# KiCad board panel.kicad_pcb (continued)
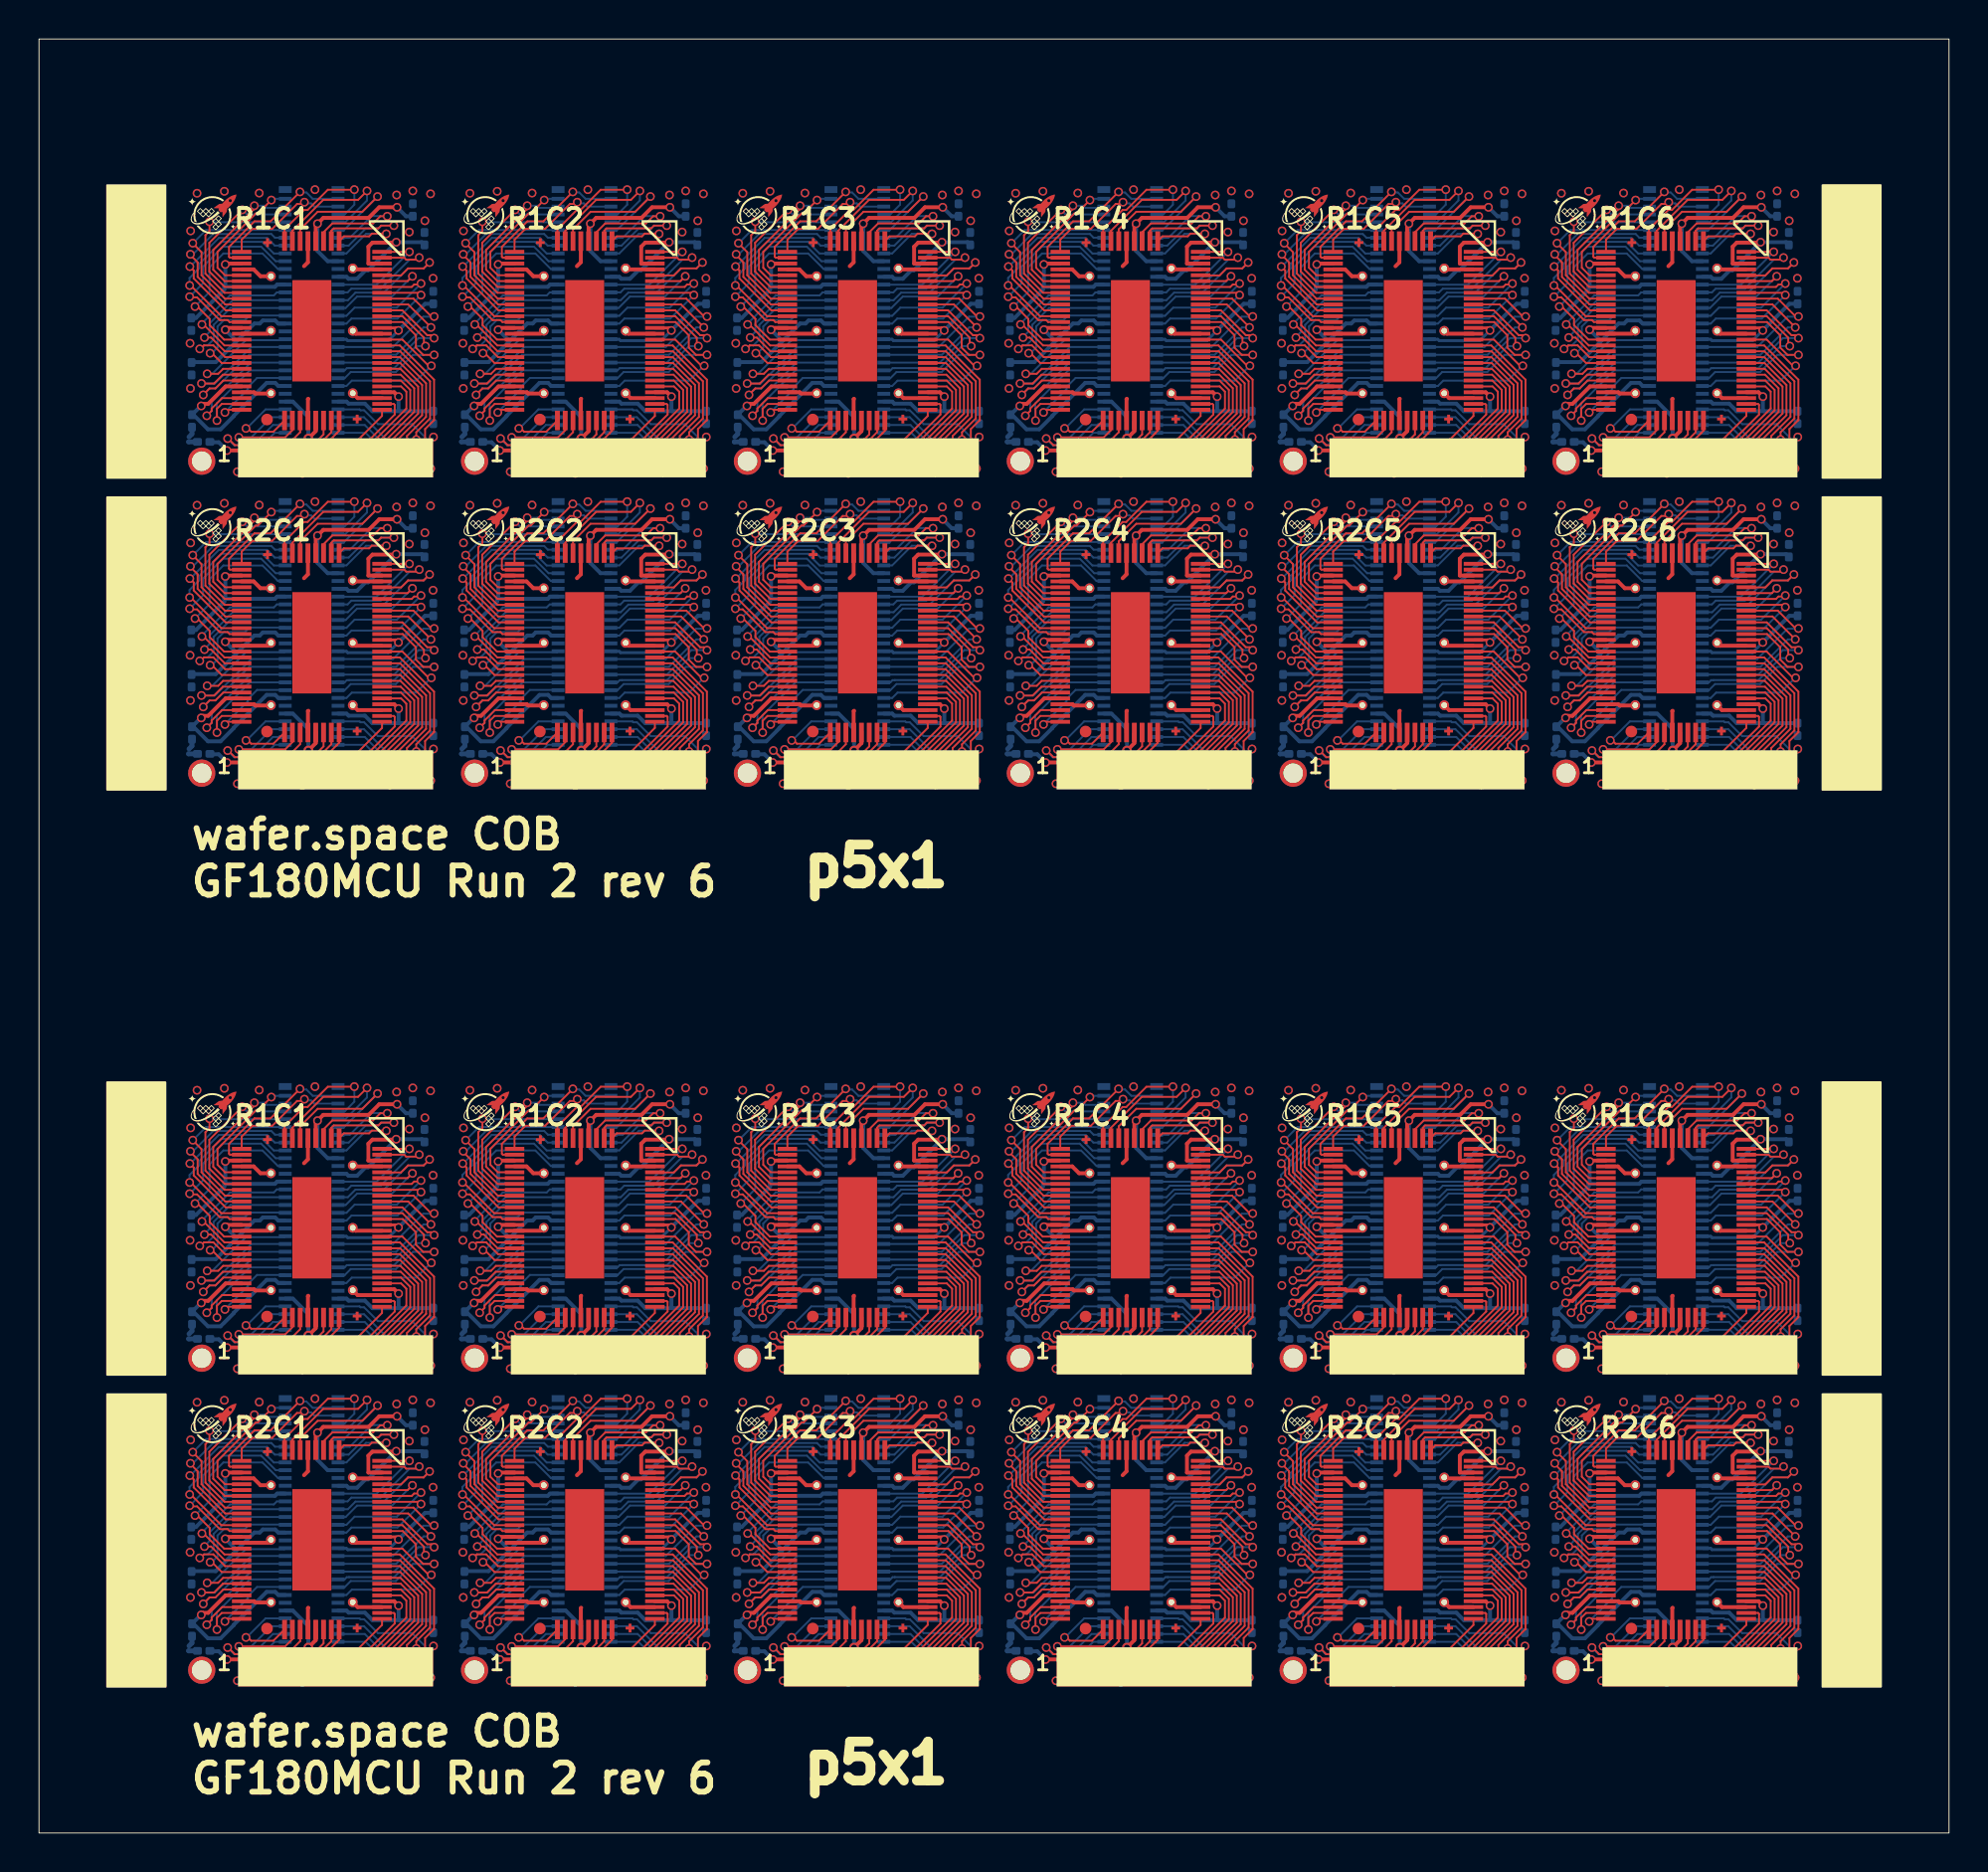
[diagram p0: board, top side]
## Placement (name value [footprint] x y rotation side) (continued)
U115#2  ~  [CONN-SMD_70P-P0.40_HCTL_HC-PBB40C-70DP-0.4V-02]  27.99 61.01 90 bottom
U116  ~  [waferspace_p5x1_padring_v0.2]  28 61.04 180 top
U116#2  ~  [waferspace_p5x1_padring_v0.2]  28 15.04 180 top
U117  ~  [CONN-SMD_70P-P0.40_HCTL_HC-PBB40C-70DP-0.4V-02]  41.99 15.01 90 bottom
U117#2  ~  [CONN-SMD_70P-P0.40_HCTL_HC-PBB40C-70DP-0.4V-02]  41.99 61.01 90 bottom
U118  ~  [waferspace_p5x1_padring_v0.2]  42 15.04 180 top
U118#2  ~  [waferspace_p5x1_padring_v0.2]  42 61.04 180 top
U119  ~  [CONN-SMD_70P-P0.40_HCTL_HC-PBB40C-70DP-0.4V-02]  55.99 61.01 90 bottom
U119#2  ~  [CONN-SMD_70P-P0.40_HCTL_HC-PBB40C-70DP-0.4V-02]  55.99 15.01 90 bottom
U120  ~  [waferspace_p5x1_padring_v0.2]  56 15.04 180 top
U120#2  ~  [waferspace_p5x1_padring_v0.2]  56 61.04 180 top
U121  ~  [CONN-SMD_70P-P0.40_HCTL_HC-PBB40C-70DP-0.4V-02]  69.99 61.01 90 bottom
U121#2  ~  [CONN-SMD_70P-P0.40_HCTL_HC-PBB40C-70DP-0.4V-02]  69.99 15.01 90 bottom
U122  ~  [waferspace_p5x1_padring_v0.2]  70 61.04 180 top
U122#2  ~  [waferspace_p5x1_padring_v0.2]  70 15.04 180 top
U123  ~  [CONN-SMD_70P-P0.40_HCTL_HC-PBB40C-70DP-0.4V-02]  83.99 15.01 90 bottom
U123#2  ~  [CONN-SMD_70P-P0.40_HCTL_HC-PBB40C-70DP-0.4V-02]  83.99 61.01 90 bottom
U124  ~  [waferspace_p5x1_padring_v0.2]  84 15.04 180 top
U124#2  ~  [waferspace_p5x1_padring_v0.2]  84 61.04 180 top

## Library data of the parts
C101 C101#2 C102 C102#2 C103 C103#2 C104 C104#2 C105 C105#2 C106 C106#2 C107 C107#2 C108 C108#2 C109 C109#2 C110 C110#2 C111 C111#2 C112 C112#2 C113 C113#2 C114 C114#2 C115 C115#2 C116 C116#2 C117 C117#2 C118 C118#2 C119 C119#2 C120 C120#2 C121 C121#2 C122 C122#2 C123 C123#2 C124 C124#2 C125 C125#2 C126 C126#2 C127 C127#2 C128 C128#2 C129 C129#2 C130 C130#2 C131 C131#2 C132 C132#2 C133 C133#2 C134 C134#2 C135 C135#2 C136 C136#2 C137 C137#2 C138 C138#2 C139 C139#2 C140 C140#2 C141 C141#2 C142 C142#2 C143 C143#2 C144 C144#2 C145 C145#2 C146 C146#2 C147 C147#2 C148 C148#2 C149 C149#2 C150 C150#2 C151 C151#2 C152 C152#2 C153 C153#2 C154 C154#2 C155 C155#2 C156 C156#2 C157 C157#2 C158 C158#2 C159 C159#2 C160 C160#2 C161 C161#2 C162 C162#2 C163 C163#2 C164 C164#2 C165 C165#2 C166 C166#2 C167 C167#2 C168 C168#2 C169 C169#2 C170 C170#2 C171 C171#2 C172 C172#2 C173 C173#2 C174 C174#2 C175 C175#2 C176 C176#2 C177 C177#2 C178 C178#2 C179 C179#2 C180 C180#2 C181 C181#2 C182 C182#2 C183 C183#2 C184 C184#2 C185 C185#2 C186 C186#2 C187 C187#2 C188 C188#2 C189 C189#2 C190 C190#2 C191 C191#2 C192 C192#2 C193 C193#2 C194 C194#2 C195 C195#2 C196 C196#2 = -: Description: Unpolarized capacitor, small symbol; ki_fp_filters: C_*
J1 J1#2 J2 J2#2 J3 J3#2 J4 J4#2 J5 J5#2 J6 J6#2 J7 J7#2 J8 J8#2 J9 J9#2 J10 J10#2 J11 J11#2 J12 J12#2 = -: Description: Generic connector, single row, 01x01, script generated (kicad-library-utils/schlib/autogen/connector/); ki_fp_filters: Connector*:*_1x??_*

## Footprints (pads in the part's own frame, mm; a bottom-side part is the same pattern mirrored in y, then rotated)
C_0201_0603Metric
  rrect 0.318x0.36 smd: (-0.345,0) (0.345,0)
  rrect 0.46x0.4 smd: 1(-0.32,0) 2(0.32,0)
CONN-SMD_70P-P0.40_HCTL_HC-PBB40C-70DP-0.4V-02
  rect 0.2x0.66 smd: 1(-6.8,-1.355) 2(-6.4,-1.355) 3(-6,-1.355) 4(-5.6,-1.355) 5(-5.2,-1.355) 6(-4.8,-1.355) 7(-4.4,-1.355) 8(-4,-1.355) 9(-3.6,-1.355) 10(-3.2,-1.355) 11(-2.8,-1.355) 12(-2.4,-1.355) 13(-2,-1.355) 14(-1.6,-1.355) 15(-1.2,-1.355) 16(-0.8,-1.355) 17(-0.4,-1.355) 18(0,-1.355) 19(0.4,-1.355) 20(0.8,-1.355) 21(1.2,-1.355) 22(1.6,-1.355) 23(2,-1.355) 24(2.4,-1.355) 25(2.8,-1.355) 26(3.2,-1.355) 27(3.6,-1.355) 28(4,-1.355) 29(4.4,-1.355) 30(4.8,-1.355) 31(5.2,-1.355) 32(5.6,-1.355) 33(6,-1.355) 34(6.4,-1.355) 35(6.8,-1.355) 36(6.8,1.355) 37(6.4,1.355) 38(6,1.355) 39(5.6,1.355) 40(5.2,1.355) 41(4.8,1.355) 42(4.4,1.355) 43(4,1.355) 44(3.6,1.355) 45(3.2,1.355) 46(2.8,1.355) 47(2.4,1.355) 48(2,1.355) 49(1.6,1.355) 50(1.2,1.355) 51(0.8,1.355) 52(0.4,1.355) 53(0,1.355) 54(-0.4,1.355) 55(-0.8,1.355) 56(-1.2,1.355) 57(-1.6,1.355) 58(-2,1.355) 59(-2.4,1.355) 60(-2.8,1.355) 61(-3.2,1.355) 62(-3.6,1.355) 63(-4,1.355) 64(-4.4,1.355) 65(-4.8,1.355) 66(-5.2,1.355) 67(-5.6,1.355) 68(-6,1.355) 69(-6.4,1.355) 70(-6.8,1.355)
  rect 0.35x0.66 smd: MP(-7.275,-1.355) MP(-7.275,1.355) MP(7.275,-1.355) MP(7.275,1.355)
pin1_fiducial
  round 1.4 hole 1: 1(0,0)
waferspace_p5x1_padring_v0.2
  rect 0.25x1 smd: 1(1.4,4.6) 2(1,4.6) 3(0.6,4.6) 4(0.2,4.6) 5(-0.2,4.6) 6(-0.6,4.6) 7(-1,4.6) 8(-1.4,4.6) 37(-1.4,-4.6) 38(-1,-4.6) 39(-0.6,-4.6) 40(-0.2,-4.6) 41(0.2,-4.6) 42(0.6,-4.6) 43(1,-4.6) 44(1.4,-4.6)
  rect 1x0.2 smd: 9(-3.6,4.05) 10(-3.6,3.75) 11(-3.6,3.45) 12(-3.6,3.15) 13(-3.6,2.85) 14(-3.6,2.55) 15(-3.6,2.25) 16(-3.6,1.95) 17(-3.6,1.65) 18(-3.6,1.35) 19(-3.6,1.05) 20(-3.6,0.75) 21(-3.6,0.45) 22(-3.6,0.15) 23(-3.6,-0.15) 24(-3.6,-0.45) 25(-3.6,-0.75) 26(-3.6,-1.05) 27(-3.6,-1.35) 28(-3.6,-1.65) 29(-3.6,-1.95) 30(-3.6,-2.25) 31(-3.6,-2.55) 32(-3.6,-2.85) 33(-3.6,-3.15) 34(-3.6,-3.45) 35(-3.6,-3.75) 36(-3.6,-4.05) 45(3.6,-4.05) 46(3.6,-3.75) 47(3.6,-3.45) 48(3.6,-3.15) 49(3.6,-2.85) 50(3.6,-2.55) 51(3.6,-2.25) 52(3.6,-1.95) 53(3.6,-1.65) 54(3.6,-1.35) 55(3.6,-1.05) 56(3.6,-0.75) 57(3.6,-0.45) 58(3.6,-0.15) 59(3.6,0.15) 60(3.6,0.45) 61(3.6,0.75) 62(3.6,1.05) 63(3.6,1.35) 64(3.6,1.65) 65(3.6,1.95) 66(3.6,2.25) 67(3.6,2.55) 68(3.6,2.85) 69(3.6,3.15) 70(3.6,3.45) 71(3.6,3.75) 72(3.6,4.05)
  rrect 2x5.2 smd: 75(0,0)
  round 0.5 hole 0.3: 76(2.1,-2.8) 77(2.1,0) 78(2.1,3.2) 79(-2.1,3.2) 80(-2.1,0) 81(-2.1,-3.2)

## Nets
GND: C101.2 C101#2.2 C102.2 C102#2.2 C103.2 C103#2.2 C104.2 C104#2.2 C105.2 C105#2.2 C106.2 C106#2.2 C107.2 C107#2.2 C108.2 C108#2.2 C109.2 C109#2.2 C110.2 C110#2.2 C111.2 C111#2.2 C112.2 C112#2.2 C113.2 C113#2.2 C114.2 C114#2.2 C115.2 C115#2.2 C116.2 C116#2.2 C117.2 C117#2.2 C118.2 C118#2.2 C119.2 C119#2.2 C120.2 C120#2.2 C121.2 C121#2.2 C122.2 C122#2.2 C123.2 C123#2.2 C124.2 C124#2.2 C125.2 C125#2.2 C126.2 C126#2.2 C127.2 C127#2.2 C128.2 C128#2.2 C129.2 C129#2.2 C130.2 C130#2.2 C131.2 C131#2.2 C132.2 C132#2.2 C133.2 C133#2.2 C134.2 C134#2.2 C135.2 C135#2.2 C136.2 C136#2.2 C137.2 C137#2.2 C138.2 C138#2.2 C139.2 C139#2.2 C140.2 C140#2.2 C141.2 C141#2.2 C142.2 C142#2.2 C143.2 C143#2.2 C144.2 C144#2.2 C145.2 C145#2.2 C146.2 C146#2.2 C147.2 C147#2.2 C148.2 C148#2.2 C149.2 C149#2.2 C150.2 C150#2.2 C151.2 C151#2.2 C152.2 C152#2.2 C153.2 C153#2.2 C154.2 C154#2.2 C155.2 C155#2.2 C156.2 C156#2.2 C157.2 C157#2.2 C158.2 C158#2.2 C159.2 C159#2.2 C160.2 C160#2.2 C161.2 C161#2.2 C162.2 C162#2.2 C163.2 C163#2.2 C164.2 C164#2.2 C165.2 C165#2.2 C166.2 C166#2.2 C167.2 C167#2.2 C168.2 C168#2.2 C169.2 C169#2.2 C170.2 C170#2.2 C171.2 C171#2.2 C172.2 C172#2.2 C173.2 C173#2.2 C174.2 C174#2.2 C175.2 C175#2.2 C176.2 C176#2.2 C177.2 C177#2.2 C178.2 C178#2.2 C179.2 C179#2.2 C180.2 C180#2.2 C181.2 C181#2.2 C182.2 C182#2.2 C183.2 C183#2.2 C184.2 C184#2.2 C185.2 C185#2.2 C186.2 C186#2.2 C187.2 C187#2.2 C188.2 C188#2.2 C189.2 C189#2.2 C190.2 C190#2.2 C191.2 C191#2.2 C192.2 C192#2.2 C193.2 C193#2.2 C194.2 C194#2.2 C195.2 C195#2.2 C196.2 C196#2.2 J1.1 J1#2.1 J2.1 J2#2.1 J3.1 J3#2.1 J4.1 J4#2.1 J5.1 J5#2.1 J6.1 J6#2.1 J7.1 J7#2.1 J8.1 J8#2.1 J9.1 J9#2.1 J10.1 J10#2.1 J11.1 J11#2.1 J12.1 J12#2.1 U101.10 U101.18 U101.25 U101.45 U101.53 U101.61 U101.MP U101#2.10 U101#2.18 U101#2.25 U101#2.45 U101#2.53 U101#2.61 U101#2.MP U102.4 U102.11 U102.22 U102.33 U102.41 U102.48 U102.59 U102.69 U102.75 U102.76 U102.77 U102.78 U102.79 U102.80 U102.81 U102#2.4 U102#2.11 U102#2.22 U102#2.33 U102#2.41 U102#2.48 U102#2.59 U102#2.69 U102#2.75 U102#2.76 U102#2.77 U102#2.78 U102#2.79 U102#2.80 U102#2.81 U103.10 U103.18 U103.25 U103.45 U103.53 U103.61 U103.MP U103#2.10 U103#2.18 U103#2.25 U103#2.45 U103#2.53 U103#2.61 U103#2.MP U104.4 U104.11 U104.22 U104.33 U104.41 U104.48 U104.59 U104.69 U104.75 U104.76 U104.77 U104.78 U104.79 U104.80 U104.81 U104#2.4 U104#2.11 U104#2.22 U104#2.33 U104#2.41 U104#2.48 U104#2.59 U104#2.69 U104#2.75 U104#2.76 U104#2.77 U104#2.78 U104#2.79 U104#2.80 U104#2.81 U105.10 U105.18 U105.25 U105.45 U105.53 U105.61 U105.MP U105#2.10 U105#2.18 U105#2.25 U105#2.45 U105#2.53 U105#2.61 U105#2.MP U106.4 U106.11 U106.22 U106.33 U106.41 U106.48 U106.59 U106.69 U106.75 U106.76 U106.77 U106.78 U106.79 U106.80 U106.81 U106#2.4 U106#2.11 U106#2.22 U106#2.33 U106#2.41 U106#2.48 U106#2.59 U106#2.69 U106#2.75 U106#2.76 U106#2.77 U106#2.78 U106#2.79 U106#2.80 U106#2.81 U107.10 U107.18 U107.25 U107.45 U107.53 U107.61 U107.MP U107#2.10 U107#2.18 U107#2.25 U107#2.45 U107#2.53 U107#2.61 U107#2.MP U108.4 U108.11 U108.22 U108.33 U108.41 U108.48 U108.59 U108.69 U108.75 U108.76 U108.77 U108.78 U108.79 U108.80 U108.81 U108#2.4 U108#2.11 U108#2.22 U108#2.33 U108#2.41 U108#2.48 U108#2.59 U108#2.69 U108#2.75 U108#2.76 U108#2.77 U108#2.78 U108#2.79 U108#2.80 U108#2.81 U109.10 U109.18 U109.25 U109.45 U109.53 U109.61 U109.MP U109#2.10 U109#2.18 U109#2.25 U109#2.45 U109#2.53 U109#2.61 U109#2.MP U110.4 U110.11 U110.22 U110.33 U110.41 U110.48 U110.59 U110.69 U110.75 U110.76 U110.77 U110.78 U110.79 U110.80 U110.81 U110#2.4 U110#2.11 U110#2.22 U110#2.33 U110#2.41 U110#2.48 U110#2.59 U110#2.69 U110#2.75 U110#2.76 U110#2.77 U110#2.78 U110#2.79 U110#2.80 U110#2.81 U111.10 U111.18 U111.25 U111.45 U111.53 U111.61 U111.MP U111#2.10 U111#2.18 U111#2.25 U111#2.45 U111#2.53 U111#2.61 U111#2.MP U112.4 U112.11 U112.22 U112.33 U112.41 U112.48 U112.59 U112.69 U112.75 U112.76 U112.77 U112.78 U112.79 U112.80 U112.81 U112#2.4 U112#2.11 U112#2.22 U112#2.33 U112#2.41 U112#2.48 U112#2.59 U112#2.69 U112#2.75 U112#2.76 U112#2.77 U112#2.78 U112#2.79 U112#2.80 U112#2.81 U113.10 U113.18 U113.25 U113.45 U113.53 U113.61 U113.MP U113#2.10 U113#2.18 U113#2.25 U113#2.45 U113#2.53 U113#2.61 U113#2.MP U114.4 U114.11 U114.22 U114.33 U114.41 U114.48 U114.59 U114.69 U114.75 U114.76 U114.77 U114.78 U114.79 U114.80 U114.81 U114#2.4 U114#2.11 U114#2.22 U114#2.33 U114#2.41 U114#2.48 U114#2.59 U114#2.69 U114#2.75 U114#2.76 U114#2.77 U114#2.78 U114#2.79 U114#2.80 U114#2.81 U115.10 U115.18 U115.25 U115.45 U115.53 U115.61 U115.MP U115#2.10 U115#2.18 U115#2.25 U115#2.45 U115#2.53 U115#2.61 U115#2.MP U116.4 U116.11 U116.22 U116.33 U116.41 U116.48 U116.59 U116.69 U116.75 U116.76 U116.77 U116.78 U116.79 U116.80 U116.81 U116#2.4 U116#2.11 U116#2.22 U116#2.33 U116#2.41 U116#2.48 U116#2.59 U116#2.69 U116#2.75 U116#2.76 U116#2.77 U116#2.78 U116#2.79 U116#2.80 U116#2.81 U117.10 U117.18 U117.25 U117.45 U117.53 U117.61 U117.MP U117#2.10 U117#2.18 U117#2.25 U117#2.45 U117#2.53 U117#2.61 U117#2.MP U118.4 U118.11 U118.22 U118.33 U118.41 U118.48 U118.59 U118.69 U118.75 U118.76 U118.77 U118.78 U118.79 U118.80 U118.81 U118#2.4 U118#2.11 U118#2.22 U118#2.33 U118#2.41 U118#2.48 U118#2.59 U118#2.69 U118#2.75 U118#2.76 U118#2.77 U118#2.78 U118#2.79 U118#2.80 U118#2.81 U119.10 U119.18 U119.25 U119.45 U119.53 U119.61 U119.MP U119#2.10 U119#2.18 U119#2.25 U119#2.45 U119#2.53 U119#2.61 U119#2.MP U120.4 U120.11 U120.22 U120.33 U120.41 U120.48 U120.59 U120.69 U120.75 U120.76 U120.77 U120.78 U120.79 U120.80 U120.81 U120#2.4 U120#2.11 U120#2.22 U120#2.33 U120#2.41 U120#2.48 U120#2.59 U120#2.69 U120#2.75 U120#2.76 U120#2.77 U120#2.78 U120#2.79 U120#2.80 U120#2.81 U121.10 U121.18 U121.25 U121.45 U121.53 U121.61 U121.MP U121#2.10 U121#2.18 U121#2.25 U121#2.45 U121#2.53 U121#2.61 U121#2.MP U122.4 U122.11 U122.22 U122.33 U122.41 U122.48 U122.59 U122.69 U122.75 U122.76 U122.77 U122.78 U122.79 U122.80 U122.81 U122#2.4 U122#2.11 U122#2.22 U122#2.33 U122#2.41 U122#2.48 U122#2.59 U122#2.69 U122#2.75 U122#2.76 U122#2.77 U122#2.78 U122#2.79 U122#2.80 U122#2.81 U123.10 U123.18 U123.25 U123.45 U123.53 U123.61 U123.MP U123#2.10 U123#2.18 U123#2.25 U123#2.45 U123#2.53 U123#2.61 U123#2.MP U124.4 U124.11 U124.22 U124.33 U124.41 U124.48 U124.59 U124.69 U124.75 U124.76 U124.77 U124.78 U124.79 U124.80 U124.81 U124#2.4 U124#2.11 U124#2.22 U124#2.33 U124#2.41 U124#2.48 U124#2.59 U124#2.69 U124#2.75 U124#2.76 U124#2.77 U124#2.78 U124#2.79 U124#2.80 U124#2.81
VDD_CORE_0: C103.1 C103#2.1 C111.1 C111#2.1 C119.1 C119#2.1 C127.1 C127#2.1 C135.1 C135#2.1 C143.1 C143#2.1 C151.1 C151#2.1 C159.1 C159#2.1 C167.1 C167#2.1 C175.1 C175#2.1 C183.1 C183#2.1 C191.1 C191#2.1 U101.46 U101#2.46 U102.34 U102#2.34 U103.46 U103#2.46 U104.34 U104#2.34 U105.46 U105#2.46 U106.34 U106#2.34 U107.46 U107#2.46 U108.34 U108#2.34 U109.46 U109#2.46 U110.34 U110#2.34 U111.46 U111#2.46 U112.34 U112#2.34 U113.46 U113#2.46 U114.34 U114#2.34 U115.46 U115#2.46 U116.34 U116#2.34 U117.46 U117#2.46 U118.34 U118#2.34 U119.46 U119#2.46 U120.34 U120#2.34 U121.46 U121#2.46 U122.34 U122#2.34 U123.46 U123#2.46 U124.34 U124#2.34
VDD_CORE_1: C104.1 C104#2.1 C112.1 C112#2.1 C120.1 C120#2.1 C128.1 C128#2.1 C136.1 C136#2.1 C144.1 C144#2.1 C152.1 C152#2.1 C160.1 C160#2.1 C168.1 C168#2.1 C176.1 C176#2.1 C184.1 C184#2.1 C192.1 C192#2.1 U101.11 U101#2.11 U102.68 U102#2.68 U103.11 U103#2.11 U104.68 U104#2.68 U105.11 U105#2.11 U106.68 U106#2.68 U107.11 U107#2.11 U108.68 U108#2.68 U109.11 U109#2.11 U110.68 U110#2.68 U111.11 U111#2.11 U112.68 U112#2.68 U113.11 U113#2.11 U114.68 U114#2.68 U115.11 U115#2.11 U116.68 U116#2.68 U117.11 U117#2.11 U118.68 U118#2.68 U119.11 U119#2.11 U120.68 U120#2.68 U121.11 U121#2.11 U122.68 U122#2.68 U123.11 U123#2.11 U124.68 U124#2.68
VDD_IO_0: C107.1 C107#2.1 C115.1 C115#2.1 C123.1 C123#2.1 C131.1 C131#2.1 C139.1 C139#2.1 C147.1 C147#2.1 C155.1 C155#2.1 C163.1 C163#2.1 C171.1 C171#2.1 C179.1 C179#2.1 C187.1 C187#2.1 C195.1 C195#2.1 U101.62 U101#2.62 U102.12 U102#2.12 U103.62 U103#2.62 U104.12 U104#2.12 U105.62 U105#2.62 U106.12 U106#2.12 U107.62 U107#2.62 U108.12 U108#2.12 U109.62 U109#2.62 U110.12 U110#2.12 U111.62 U111#2.62 U112.12 U112#2.12 U113.62 U113#2.62 U114.12 U114#2.12 U115.62 U115#2.62 U116.12 U116#2.12 U117.62 U117#2.62 U118.12 U118#2.12 U119.62 U119#2.62 U120.12 U120#2.12 U121.62 U121#2.62 U122.12 U122#2.12 U123.62 U123#2.62 U124.12 U124#2.12
VDD_IO_1: C101.1 C101#2.1 C109.1 C109#2.1 C117.1 C117#2.1 C125.1 C125#2.1 C133.1 C133#2.1 C141.1 C141#2.1 C149.1 C149#2.1 C157.1 C157#2.1 C165.1 C165#2.1 C173.1 C173#2.1 C181.1 C181#2.1 C189.1 C189#2.1 U101.44 U101#2.44 U102.40 U102#2.40 U103.44 U103#2.44 U104.40 U104#2.40 U105.44 U105#2.44 U106.40 U106#2.40 U107.44 U107#2.44 U108.40 U108#2.40 U109.44 U109#2.44 U110.40 U110#2.40 U111.44 U111#2.44 U112.40 U112#2.40 U113.44 U113#2.44 U114.40 U114#2.40 U115.44 U115#2.44 U116.40 U116#2.40 U117.44 U117#2.44 U118.40 U118#2.40 U119.44 U119#2.44 U120.40 U120#2.40 U121.44 U121#2.44 U122.40 U122#2.40 U123.44 U123#2.44 U124.40 U124#2.40
VDD_IO_2: C108.1 C108#2.1 C116.1 C116#2.1 C124.1 C124#2.1 C132.1 C132#2.1 C140.1 C140#2.1 C148.1 C148#2.1 C156.1 C156#2.1 C164.1 C164#2.1 C172.1 C172#2.1 C180.1 C180#2.1 C188.1 C188#2.1 C196.1 C196#2.1 U101.24 U101#2.24 U102.47 U102#2.47 U103.24 U103#2.24 U104.47 U104#2.47 U105.24 U105#2.24 U106.47 U106#2.47 U107.24 U107#2.24 U108.47 U108#2.47 U109.24 U109#2.24 U110.47 U110#2.47 U111.24 U111#2.24 U112.47 U112#2.47 U113.24 U113#2.24 U114.47 U114#2.47 U115.24 U115#2.24 U116.47 U116#2.47 U117.24 U117#2.24 U118.47 U118#2.47 U119.24 U119#2.24 U120.47 U120#2.47 U121.24 U121#2.24 U122.47 U122#2.47 U123.24 U123#2.24 U124.47 U124#2.47
VDD_IO_3: C102.1 C102#2.1 C110.1 C110#2.1 C118.1 C118#2.1 C126.1 C126#2.1 C134.1 C134#2.1 C142.1 C142#2.1 C150.1 C150#2.1 C158.1 C158#2.1 C166.1 C166#2.1 C174.1 C174#2.1 C182.1 C182#2.1 C190.1 C190#2.1 U101.9 U101#2.9 U102.5 U102#2.5 U103.9 U103#2.9 U104.5 U104#2.5 U105.9 U105#2.9 U106.5 U106#2.5 U107.9 U107#2.9 U108.5 U108#2.5 U109.9 U109#2.9 U110.5 U110#2.5 U111.9 U111#2.9 U112.5 U112#2.5 U113.9 U113#2.9 U114.5 U114#2.5 U115.9 U115#2.9 U116.5 U116#2.5 U117.9 U117#2.9 U118.5 U118#2.5 U119.9 U119#2.9 U120.5 U120#2.5 U121.9 U121#2.9 U122.5 U122#2.5 U123.9 U123#2.9 U124.5 U124#2.5
/an_0: U101.43 U101#2.43 U102.37 U102#2.37 U103.43 U103#2.43 U104.37 U104#2.37 U105.43 U105#2.43 U106.37 U106#2.37 U107.43 U107#2.43 U108.37 U108#2.37 U109.43 U109#2.43 U110.37 U110#2.37 U111.43 U111#2.43 U112.37 U112#2.37 U113.43 U113#2.43 U114.37 U114#2.37 U115.43 U115#2.43 U116.37 U116#2.37 U117.43 U117#2.43 U118.37 U118#2.37 U119.43 U119#2.43 U120.37 U120#2.37 U121.43 U121#2.43 U122.37 U122#2.37 U123.43 U123#2.43 U124.37 U124#2.37
/an_1: U101.42 U101#2.42 U102.38 U102#2.38 U103.42 U103#2.42 U104.38 U104#2.38 U105.42 U105#2.42 U106.38 U106#2.38 U107.42 U107#2.42 U108.38 U108#2.38 U109.42 U109#2.42 U110.38 U110#2.38 U111.42 U111#2.42 U112.38 U112#2.38 U113.42 U113#2.42 U114.38 U114#2.38 U115.42 U115#2.42 U116.38 U116#2.38 U117.42 U117#2.42 U118.38 U118#2.38 U119.42 U119#2.42 U120.38 U120#2.38 U121.42 U121#2.42 U122.38 U122#2.38 U123.42 U123#2.42 U124.38 U124#2.38
/an_2: U101.41 U101#2.41 U102.39 U102#2.39 U103.41 U103#2.41 U104.39 U104#2.39 U105.41 U105#2.41 U106.39 U106#2.39 U107.41 U107#2.41 U108.39 U108#2.39 U109.41 U109#2.41 U110.39 U110#2.39 U111.41 U111#2.41 U112.39 U112#2.39 U113.41 U113#2.41 U114.39 U114#2.39 U115.41 U115#2.41 U116.39 U116#2.39 U117.41 U117#2.41 U118.39 U118#2.39 U119.41 U119#2.41 U120.39 U120#2.39 U121.41 U121#2.41 U122.39 U122#2.39 U123.41 U123#2.41 U124.39 U124#2.39
/an_3: U101.40 U101#2.40 U102.42 U102#2.42 U103.40 U103#2.40 U104.42 U104#2.42 U105.40 U105#2.40 U106.42 U106#2.42 U107.40 U107#2.40 U108.42 U108#2.42 U109.40 U109#2.40 U110.42 U110#2.42 U111.40 U111#2.40 U112.42 U112#2.42 U113.40 U113#2.40 U114.42 U114#2.42 U115.40 U115#2.40 U116.42 U116#2.42 U117.40 U117#2.40 U118.42 U118#2.42 U119.40 U119#2.40 U120.42 U120#2.42 U121.40 U121#2.40 U122.42 U122#2.42 U123.40 U123#2.40 U124.42 U124#2.42
/an_4: U101.39 U101#2.39 U102.43 U102#2.43 U103.39 U103#2.39 U104.43 U104#2.43 U105.39 U105#2.39 U106.43 U106#2.43 U107.39 U107#2.39 U108.43 U108#2.43 U109.39 U109#2.39 U110.43 U110#2.43 U111.39 U111#2.39 U112.43 U112#2.43 U113.39 U113#2.39 U114.43 U114#2.43 U115.39 U115#2.39 U116.43 U116#2.43 U117.39 U117#2.39 U118.43 U118#2.43 U119.39 U119#2.39 U120.43 U120#2.43 U121.39 U121#2.39 U122.43 U122#2.43 U123.39 U123#2.39 U124.43 U124#2.43
/an_5: U101.38 U101#2.38 U102.44 U102#2.44 U103.38 U103#2.38 U104.44 U104#2.44 U105.38 U105#2.38 U106.44 U106#2.44 U107.38 U107#2.38 U108.44 U108#2.44 U109.38 U109#2.38 U110.44 U110#2.44 U111.38 U111#2.38 U112.44 U112#2.44 U113.38 U113#2.38 U114.44 U114#2.44 U115.38 U115#2.38 U116.44 U116#2.44 U117.38 U117#2.38 U118.44 U118#2.44 U119.38 U119#2.38 U120.44 U120#2.44 U121.38 U121#2.38 U122.44 U122#2.44 U123.38 U123#2.38 U124.44 U124#2.44
/bidir_0: U101.2 U101#2.2 U102.9 U102#2.9 U103.2 U103#2.2 U104.9 U104#2.9 U105.2 U105#2.2 U106.9 U106#2.9 U107.2 U107#2.2 U108.9 U108#2.9 U109.2 U109#2.2 U110.9 U110#2.9 U111.2 U111#2.2 U112.9 U112#2.9 U113.2 U113#2.2 U114.9 U114#2.9 U115.2 U115#2.2 U116.9 U116#2.9 U117.2 U117#2.2 U118.9 U118#2.9 U119.2 U119#2.2 U120.9 U120#2.9 U121.2 U121#2.2 U122.9 U122#2.9 U123.2 U123#2.2 U124.9 U124#2.9
/bidir_1: U101.1 U101#2.1 U102.10 U102#2.10 U103.1 U103#2.1 U104.10 U104#2.10 U105.1 U105#2.1 U106.10 U106#2.10 U107.1 U107#2.1 U108.10 U108#2.10 U109.1 U109#2.1 U110.10 U110#2.10 U111.1 U111#2.1 U112.10 U112#2.10 U113.1 U113#2.1 U114.10 U114#2.10 U115.1 U115#2.1 U116.10 U116#2.10 U117.1 U117#2.1 U118.10 U118#2.10 U119.1 U119#2.1 U120.10 U120#2.10 U121.1 U121#2.1 U122.10 U122#2.10 U123.1 U123#2.1 U124.10 U124#2.10
/bidir_2: U101.70 U101#2.70 U102.13 U102#2.13 U103.70 U103#2.70 U104.13 U104#2.13 U105.70 U105#2.70 U106.13 U106#2.13 U107.70 U107#2.70 U108.13 U108#2.13 U109.70 U109#2.70 U110.13 U110#2.13 U111.70 U111#2.70 U112.13 U112#2.13 U113.70 U113#2.70 U114.13 U114#2.13 U115.70 U115#2.70 U116.13 U116#2.13 U117.70 U117#2.70 U118.13 U118#2.13 U119.70 U119#2.70 U120.13 U120#2.13 U121.70 U121#2.70 U122.13 U122#2.13 U123.70 U123#2.70 U124.13 U124#2.13
/bidir_3: U101.69 U101#2.69 U102.14 U102#2.14 U103.69 U103#2.69 U104.14 U104#2.14 U105.69 U105#2.69 U106.14 U106#2.14 U107.69 U107#2.69 U108.14 U108#2.14 U109.69 U109#2.69 U110.14 U110#2.14 U111.69 U111#2.69 U112.14 U112#2.14 U113.69 U113#2.69 U114.14 U114#2.14 U115.69 U115#2.69 U116.14 U116#2.14 U117.69 U117#2.69 U118.14 U118#2.14 U119.69 U119#2.69 U120.14 U120#2.14 U121.69 U121#2.69 U122.14 U122#2.14 U123.69 U123#2.69 U124.14 U124#2.14
/bidir_4: U101.68 U101#2.68 U102.15 U102#2.15 U103.68 U103#2.68 U104.15 U104#2.15 U105.68 U105#2.68 U106.15 U106#2.15 U107.68 U107#2.68 U108.15 U108#2.15 U109.68 U109#2.68 U110.15 U110#2.15 U111.68 U111#2.68 U112.15 U112#2.15 U113.68 U113#2.68 U114.15 U114#2.15 U115.68 U115#2.68 U116.15 U116#2.15 U117.68 U117#2.68 U118.15 U118#2.15 U119.68 U119#2.68 U120.15 U120#2.15 U121.68 U121#2.68 U122.15 U122#2.15 U123.68 U123#2.68 U124.15 U124#2.15
/bidir_5: U101.67 U101#2.67 U102.16 U102#2.16 U103.67 U103#2.67 U104.16 U104#2.16 U105.67 U105#2.67 U106.16 U106#2.16 U107.67 U107#2.67 U108.16 U108#2.16 U109.67 U109#2.67 U110.16 U110#2.16 U111.67 U111#2.67 U112.16 U112#2.16 U113.67 U113#2.67 U114.16 U114#2.16 U115.67 U115#2.67 U116.16 U116#2.16 U117.67 U117#2.67 U118.16 U118#2.16 U119.67 U119#2.67 U120.16 U120#2.16 U121.67 U121#2.67 U122.16 U122#2.16 U123.67 U123#2.67 U124.16 U124#2.16
/bidir_6: U101.66 U101#2.66 U102.17 U102#2.17 U103.66 U103#2.66 U104.17 U104#2.17 U105.66 U105#2.66 U106.17 U106#2.17 U107.66 U107#2.66 U108.17 U108#2.17 U109.66 U109#2.66 U110.17 U110#2.17 U111.66 U111#2.66 U112.17 U112#2.17 U113.66 U113#2.66 U114.17 U114#2.17 U115.66 U115#2.66 U116.17 U116#2.17 U117.66 U117#2.66 U118.17 U118#2.17 U119.66 U119#2.66 U120.17 U120#2.17 U121.66 U121#2.66 U122.17 U122#2.17 U123.66 U123#2.66 U124.17 U124#2.17
/bidir_7: U101.65 U101#2.65 U102.18 U102#2.18 U103.65 U103#2.65 U104.18 U104#2.18 U105.65 U105#2.65 U106.18 U106#2.18 U107.65 U107#2.65 U108.18 U108#2.18 U109.65 U109#2.65 U110.18 U110#2.18 U111.65 U111#2.65 U112.18 U112#2.18 U113.65 U113#2.65 U114.18 U114#2.18 U115.65 U115#2.65 U116.18 U116#2.18 U117.65 U117#2.65 U118.18 U118#2.18 U119.65 U119#2.65 U120.18 U120#2.18 U121.65 U121#2.65 U122.18 U122#2.18 U123.65 U123#2.65 U124.18 U124#2.18
/bidir_8: U101.64 U101#2.64 U102.19 U102#2.19 U103.64 U103#2.64 U104.19 U104#2.19 U105.64 U105#2.64 U106.19 U106#2.19 U107.64 U107#2.64 U108.19 U108#2.19 U109.64 U109#2.64 U110.19 U110#2.19 U111.64 U111#2.64 U112.19 U112#2.19 U113.64 U113#2.64 U114.19 U114#2.19 U115.64 U115#2.64 U116.19 U116#2.19 U117.64 U117#2.64 U118.19 U118#2.19 U119.64 U119#2.64 U120.19 U120#2.19 U121.64 U121#2.64 U122.19 U122#2.19 U123.64 U123#2.64 U124.19 U124#2.19
/bidir_9: U101.63 U101#2.63 U102.20 U102#2.20 U103.63 U103#2.63 U104.20 U104#2.20 U105.63 U105#2.63 U106.20 U106#2.20 U107.63 U107#2.63 U108.20 U108#2.20 U109.63 U109#2.63 U110.20 U110#2.20 U111.63 U111#2.63 U112.20 U112#2.20 U113.63 U113#2.63 U114.20 U114#2.20 U115.63 U115#2.63 U116.20 U116#2.20 U117.63 U117#2.63 U118.20 U118#2.20 U119.63 U119#2.63 U120.20 U120#2.20 U121.63 U121#2.63 U122.20 U122#2.20 U123.63 U123#2.63 U124.20 U124#2.20
/bidir_10: U101.60 U101#2.60 U102.21 U102#2.21 U103.60 U103#2.60 U104.21 U104#2.21 U105.60 U105#2.60 U106.21 U106#2.21 U107.60 U107#2.60 U108.21 U108#2.21 U109.60 U109#2.60 U110.21 U110#2.21 U111.60 U111#2.60 U112.21 U112#2.21 U113.60 U113#2.60 U114.21 U114#2.21 U115.60 U115#2.60 U116.21 U116#2.21 U117.60 U117#2.60 U118.21 U118#2.21 U119.60 U119#2.60 U120.21 U120#2.21 U121.60 U121#2.60 U122.21 U122#2.21 U123.60 U123#2.60 U124.21 U124#2.21
/bidir_11: U101.59 U101#2.59 U102.24 U102#2.24 U103.59 U103#2.59 U104.24 U104#2.24 U105.59 U105#2.59 U106.24 U106#2.24 U107.59 U107#2.59 U108.24 U108#2.24 U109.59 U109#2.59 U110.24 U110#2.24 U111.59 U111#2.59 U112.24 U112#2.24 U113.59 U113#2.59 U114.24 U114#2.24 U115.59 U115#2.59 U116.24 U116#2.24 U117.59 U117#2.59 U118.24 U118#2.24 U119.59 U119#2.59 U120.24 U120#2.24 U121.59 U121#2.59 U122.24 U122#2.24 U123.59 U123#2.59 U124.24 U124#2.24
/bidir_12: U101.58 U101#2.58 U102.25 U102#2.25 U103.58 U103#2.58 U104.25 U104#2.25 U105.58 U105#2.58 U106.25 U106#2.25 U107.58 U107#2.58 U108.25 U108#2.25 U109.58 U109#2.58 U110.25 U110#2.25 U111.58 U111#2.58 U112.25 U112#2.25 U113.58 U113#2.58 U114.25 U114#2.25 U115.58 U115#2.58 U116.25 U116#2.25 U117.58 U117#2.58 U118.25 U118#2.25 U119.58 U119#2.58 U120.25 U120#2.25 U121.58 U121#2.58 U122.25 U122#2.25 U123.58 U123#2.58 U124.25 U124#2.25
/bidir_13: U101.57 U101#2.57 U102.26 U102#2.26 U103.57 U103#2.57 U104.26 U104#2.26 U105.57 U105#2.57 U106.26 U106#2.26 U107.57 U107#2.57 U108.26 U108#2.26 U109.57 U109#2.57 U110.26 U110#2.26 U111.57 U111#2.57 U112.26 U112#2.26 U113.57 U113#2.57 U114.26 U114#2.26 U115.57 U115#2.57 U116.26 U116#2.26 U117.57 U117#2.57 U118.26 U118#2.26 U119.57 U119#2.57 U120.26 U120#2.26 U121.57 U121#2.57 U122.26 U122#2.26 U123.57 U123#2.57 U124.26 U124#2.26
/bidir_14: U101.56 U101#2.56 U102.27 U102#2.27 U103.56 U103#2.56 U104.27 U104#2.27 U105.56 U105#2.56 U106.27 U106#2.27 U107.56 U107#2.56 U108.27 U108#2.27 U109.56 U109#2.56 U110.27 U110#2.27 U111.56 U111#2.56 U112.27 U112#2.27 U113.56 U113#2.56 U114.27 U114#2.27 U115.56 U115#2.56 U116.27 U116#2.27 U117.56 U117#2.56 U118.27 U118#2.27 U119.56 U119#2.56 U120.27 U120#2.27 U121.56 U121#2.56 U122.27 U122#2.27 U123.56 U123#2.56 U124.27 U124#2.27
/bidir_15: U101.55 U101#2.55 U102.28 U102#2.28 U103.55 U103#2.55 U104.28 U104#2.28 U105.55 U105#2.55 U106.28 U106#2.28 U107.55 U107#2.55 U108.28 U108#2.28 U109.55 U109#2.55 U110.28 U110#2.28 U111.55 U111#2.55 U112.28 U112#2.28 U113.55 U113#2.55 U114.28 U114#2.28 U115.55 U115#2.55 U116.28 U116#2.28 U117.55 U117#2.55 U118.28 U118#2.28 U119.55 U119#2.55 U120.28 U120#2.28 U121.55 U121#2.55 U122.28 U122#2.28 U123.55 U123#2.55 U124.28 U124#2.28
/bidir_16: U101.52 U101#2.52 U102.29 U102#2.29 U103.52 U103#2.52 U104.29 U104#2.29 U105.52 U105#2.52 U106.29 U106#2.29 U107.52 U107#2.52 U108.29 U108#2.29 U109.52 U109#2.52 U110.29 U110#2.29 U111.52 U111#2.52 U112.29 U112#2.29 U113.52 U113#2.52 U114.29 U114#2.29 U115.52 U115#2.52 U116.29 U116#2.29 U117.52 U117#2.52 U118.29 U118#2.29 U119.52 U119#2.52 U120.29 U120#2.29 U121.52 U121#2.52 U122.29 U122#2.29 U123.52 U123#2.52 U124.29 U124#2.29
/bidir_17: U101.51 U101#2.51 U102.30 U102#2.30 U103.51 U103#2.51 U104.30 U104#2.30 U105.51 U105#2.51 U106.30 U106#2.30 U107.51 U107#2.51 U108.30 U108#2.30 U109.51 U109#2.51 U110.30 U110#2.30 U111.51 U111#2.51 U112.30 U112#2.30 U113.51 U113#2.51 U114.30 U114#2.30 U115.51 U115#2.51 U116.30 U116#2.30 U117.51 U117#2.51 U118.30 U118#2.30 U119.51 U119#2.51 U120.30 U120#2.30 U121.51 U121#2.51 U122.30 U122#2.30 U123.51 U123#2.51 U124.30 U124#2.30
/bidir_18: U101.50 U101#2.50 U102.31 U102#2.31 U103.50 U103#2.50 U104.31 U104#2.31 U105.50 U105#2.50 U106.31 U106#2.31 U107.50 U107#2.50 U108.31 U108#2.31 U109.50 U109#2.50 U110.31 U110#2.31 U111.50 U111#2.50 U112.31 U112#2.31 U113.50 U113#2.50 U114.31 U114#2.31 U115.50 U115#2.50 U116.31 U116#2.31 U117.50 U117#2.50 U118.31 U118#2.31 U119.50 U119#2.50 U120.31 U120#2.31 U121.50 U121#2.50 U122.31 U122#2.31 U123.50 U123#2.50 U124.31 U124#2.31
/bidir_19: U101.49 U101#2.49 U102.32 U102#2.32 U103.49 U103#2.49 U104.32 U104#2.32 U105.49 U105#2.49 U106.32 U106#2.32 U107.49 U107#2.49 U108.32 U108#2.32 U109.49 U109#2.49 U110.32 U110#2.32 U111.49 U111#2.49 U112.32 U112#2.32 U113.49 U113#2.49 U114.32 U114#2.32 U115.49 U115#2.49 U116.32 U116#2.32 U117.49 U117#2.49 U118.32 U118#2.32 U119.49 U119#2.49 U120.32 U120#2.32 U121.49 U121#2.49 U122.32 U122#2.32 U123.49 U123#2.49 U124.32 U124#2.32
/bidir_20: U101.48 U101#2.48 U102.35 U102#2.35 U103.48 U103#2.48 U104.35 U104#2.35 U105.48 U105#2.48 U106.35 U106#2.35 U107.48 U107#2.48 U108.35 U108#2.35 U109.48 U109#2.48 U110.35 U110#2.35 U111.48 U111#2.48 U112.35 U112#2.35 U113.48 U113#2.48 U114.35 U114#2.35 U115.48 U115#2.48 U116.35 U116#2.35 U117.48 U117#2.48 U118.35 U118#2.35 U119.48 U119#2.48 U120.35 U120#2.35 U121.48 U121#2.48 U122.35 U122#2.35 U123.48 U123#2.48 U124.35 U124#2.35
/bidir_21: U101.47 U101#2.47 U102.36 U102#2.36 U103.47 U103#2.47 U104.36 U104#2.36 U105.47 U105#2.47 U106.36 U106#2.36 U107.47 U107#2.47 U108.36 U108#2.36 U109.47 U109#2.47 U110.36 U110#2.36 U111.47 U111#2.47 U112.36 U112#2.36 U113.47 U113#2.47 U114.36 U114#2.36 U115.47 U115#2.47 U116.36 U116#2.36 U117.47 U117#2.47 U118.36 U118#2.36 U119.47 U119#2.47 U120.36 U120#2.36 U121.47 U121#2.47 U122.36 U122#2.36 U123.47 U123#2.47 U124.36 U124#2.36
/bidir_22: U101.37 U101#2.37 U102.45 U102#2.45 U103.37 U103#2.37 U104.45 U104#2.45 U105.37 U105#2.37 U106.45 U106#2.45 U107.37 U107#2.37 U108.45 U108#2.45 U109.37 U109#2.37 U110.45 U110#2.45 U111.37 U111#2.37 U112.45 U112#2.45 U113.37 U113#2.37 U114.45 U114#2.45 U115.37 U115#2.37 U116.45 U116#2.45 U117.37 U117#2.37 U118.45 U118#2.45 U119.37 U119#2.37 U120.45 U120#2.45 U121.37 U121#2.37 U122.45 U122#2.45 U123.37 U123#2.37 U124.45 U124#2.45
/bidir_23: U101.36 U101#2.36 U102.46 U102#2.46 U103.36 U103#2.36 U104.46 U104#2.46 U105.36 U105#2.36 U106.46 U106#2.46 U107.36 U107#2.36 U108.46 U108#2.46 U109.36 U109#2.36 U110.46 U110#2.46 U111.36 U111#2.36 U112.46 U112#2.46 U113.36 U113#2.36 U114.46 U114#2.46 U115.36 U115#2.36 U116.46 U116#2.46 U117.36 U117#2.36 U118.46 U118#2.46 U119.36 U119#2.36 U120.46 U120#2.46 U121.36 U121#2.36 U122.46 U122#2.46 U123.36 U123#2.36 U124.46 U124#2.46
/bidir_24: U101.35 U101#2.35 U102.49 U102#2.49 U103.35 U103#2.35 U104.49 U104#2.49 U105.35 U105#2.35 U106.49 U106#2.49 U107.35 U107#2.35 U108.49 U108#2.49 U109.35 U109#2.35 U110.49 U110#2.49 U111.35 U111#2.35 U112.49 U112#2.49 U113.35 U113#2.35 U114.49 U114#2.49 U115.35 U115#2.35 U116.49 U116#2.49 U117.35 U117#2.35 U118.49 U118#2.49 U119.35 U119#2.35 U120.49 U120#2.49 U121.35 U121#2.35 U122.49 U122#2.49 U123.35 U123#2.35 U124.49 U124#2.49
/bidir_25: U101.34 U101#2.34 U102.50 U102#2.50 U103.34 U103#2.34 U104.50 U104#2.50 U105.34 U105#2.34 U106.50 U106#2.50 U107.34 U107#2.34 U108.50 U108#2.50 U109.34 U109#2.34 U110.50 U110#2.50 U111.34 U111#2.34 U112.50 U112#2.50 U113.34 U113#2.34 U114.50 U114#2.50 U115.34 U115#2.34 U116.50 U116#2.50 U117.34 U117#2.34 U118.50 U118#2.50 U119.34 U119#2.34 U120.50 U120#2.50 U121.34 U121#2.34 U122.50 U122#2.50 U123.34 U123#2.34 U124.50 U124#2.50
/bidir_26: U101.33 U101#2.33 U102.51 U102#2.51 U103.33 U103#2.33 U104.51 U104#2.51 U105.33 U105#2.33 U106.51 U106#2.51 U107.33 U107#2.33 U108.51 U108#2.51 U109.33 U109#2.33 U110.51 U110#2.51 U111.33 U111#2.33 U112.51 U112#2.51 U113.33 U113#2.33 U114.51 U114#2.51 U115.33 U115#2.33 U116.51 U116#2.51 U117.33 U117#2.33 U118.51 U118#2.51 U119.33 U119#2.33 U120.51 U120#2.51 U121.33 U121#2.33 U122.51 U122#2.51 U123.33 U123#2.33 U124.51 U124#2.51
/bidir_27: U101.32 U101#2.32 U102.52 U102#2.52 U103.32 U103#2.32 U104.52 U104#2.52 U105.32 U105#2.32 U106.52 U106#2.52 U107.32 U107#2.32 U108.52 U108#2.52 U109.32 U109#2.32 U110.52 U110#2.52 U111.32 U111#2.32 U112.52 U112#2.52 U113.32 U113#2.32 U114.52 U114#2.52 U115.32 U115#2.32 U116.52 U116#2.52 U117.32 U117#2.32 U118.52 U118#2.52 U119.32 U119#2.32 U120.52 U120#2.52 U121.32 U121#2.32 U122.52 U122#2.52 U123.32 U123#2.32 U124.52 U124#2.52
/bidir_28: U101.31 U101#2.31 U102.53 U102#2.53 U103.31 U103#2.31 U104.53 U104#2.53 U105.31 U105#2.31 U106.53 U106#2.53 U107.31 U107#2.31 U108.53 U108#2.53 U109.31 U109#2.31 U110.53 U110#2.53 U111.31 U111#2.31 U112.53 U112#2.53 U113.31 U113#2.31 U114.53 U114#2.53 U115.31 U115#2.31 U116.53 U116#2.53 U117.31 U117#2.31 U118.53 U118#2.53 U119.31 U119#2.31 U120.53 U120#2.53 U121.31 U121#2.31 U122.53 U122#2.53 U123.31 U123#2.31 U124.53 U124#2.53
/bidir_29: U101.30 U101#2.30 U102.54 U102#2.54 U103.30 U103#2.30 U104.54 U104#2.54 U105.30 U105#2.30 U106.54 U106#2.54 U107.30 U107#2.30 U108.54 U108#2.54 U109.30 U109#2.30 U110.54 U110#2.54 U111.30 U111#2.30 U112.54 U112#2.54 U113.30 U113#2.30 U114.54 U114#2.54 U115.30 U115#2.30 U116.54 U116#2.54 U117.30 U117#2.30 U118.54 U118#2.54 U119.30 U119#2.30 U120.54 U120#2.54 U121.30 U121#2.30 U122.54 U122#2.54 U123.30 U123#2.30 U124.54 U124#2.54
/bidir_30: U101.29 U101#2.29 U102.55 U102#2.55 U103.29 U103#2.29 U104.55 U104#2.55 U105.29 U105#2.29 U106.55 U106#2.55 U107.29 U107#2.29 U108.55 U108#2.55 U109.29 U109#2.29 U110.55 U110#2.55 U111.29 U111#2.29 U112.55 U112#2.55 U113.29 U113#2.29 U114.55 U114#2.55 U115.29 U115#2.29 U116.55 U116#2.55 U117.29 U117#2.29 U118.55 U118#2.55 U119.29 U119#2.29 U120.55 U120#2.55 U121.29 U121#2.29 U122.55 U122#2.55 U123.29 U123#2.29 U124.55 U124#2.55
